# Altium PCB BB.PcbDoc (part 1 of 5) (continued)
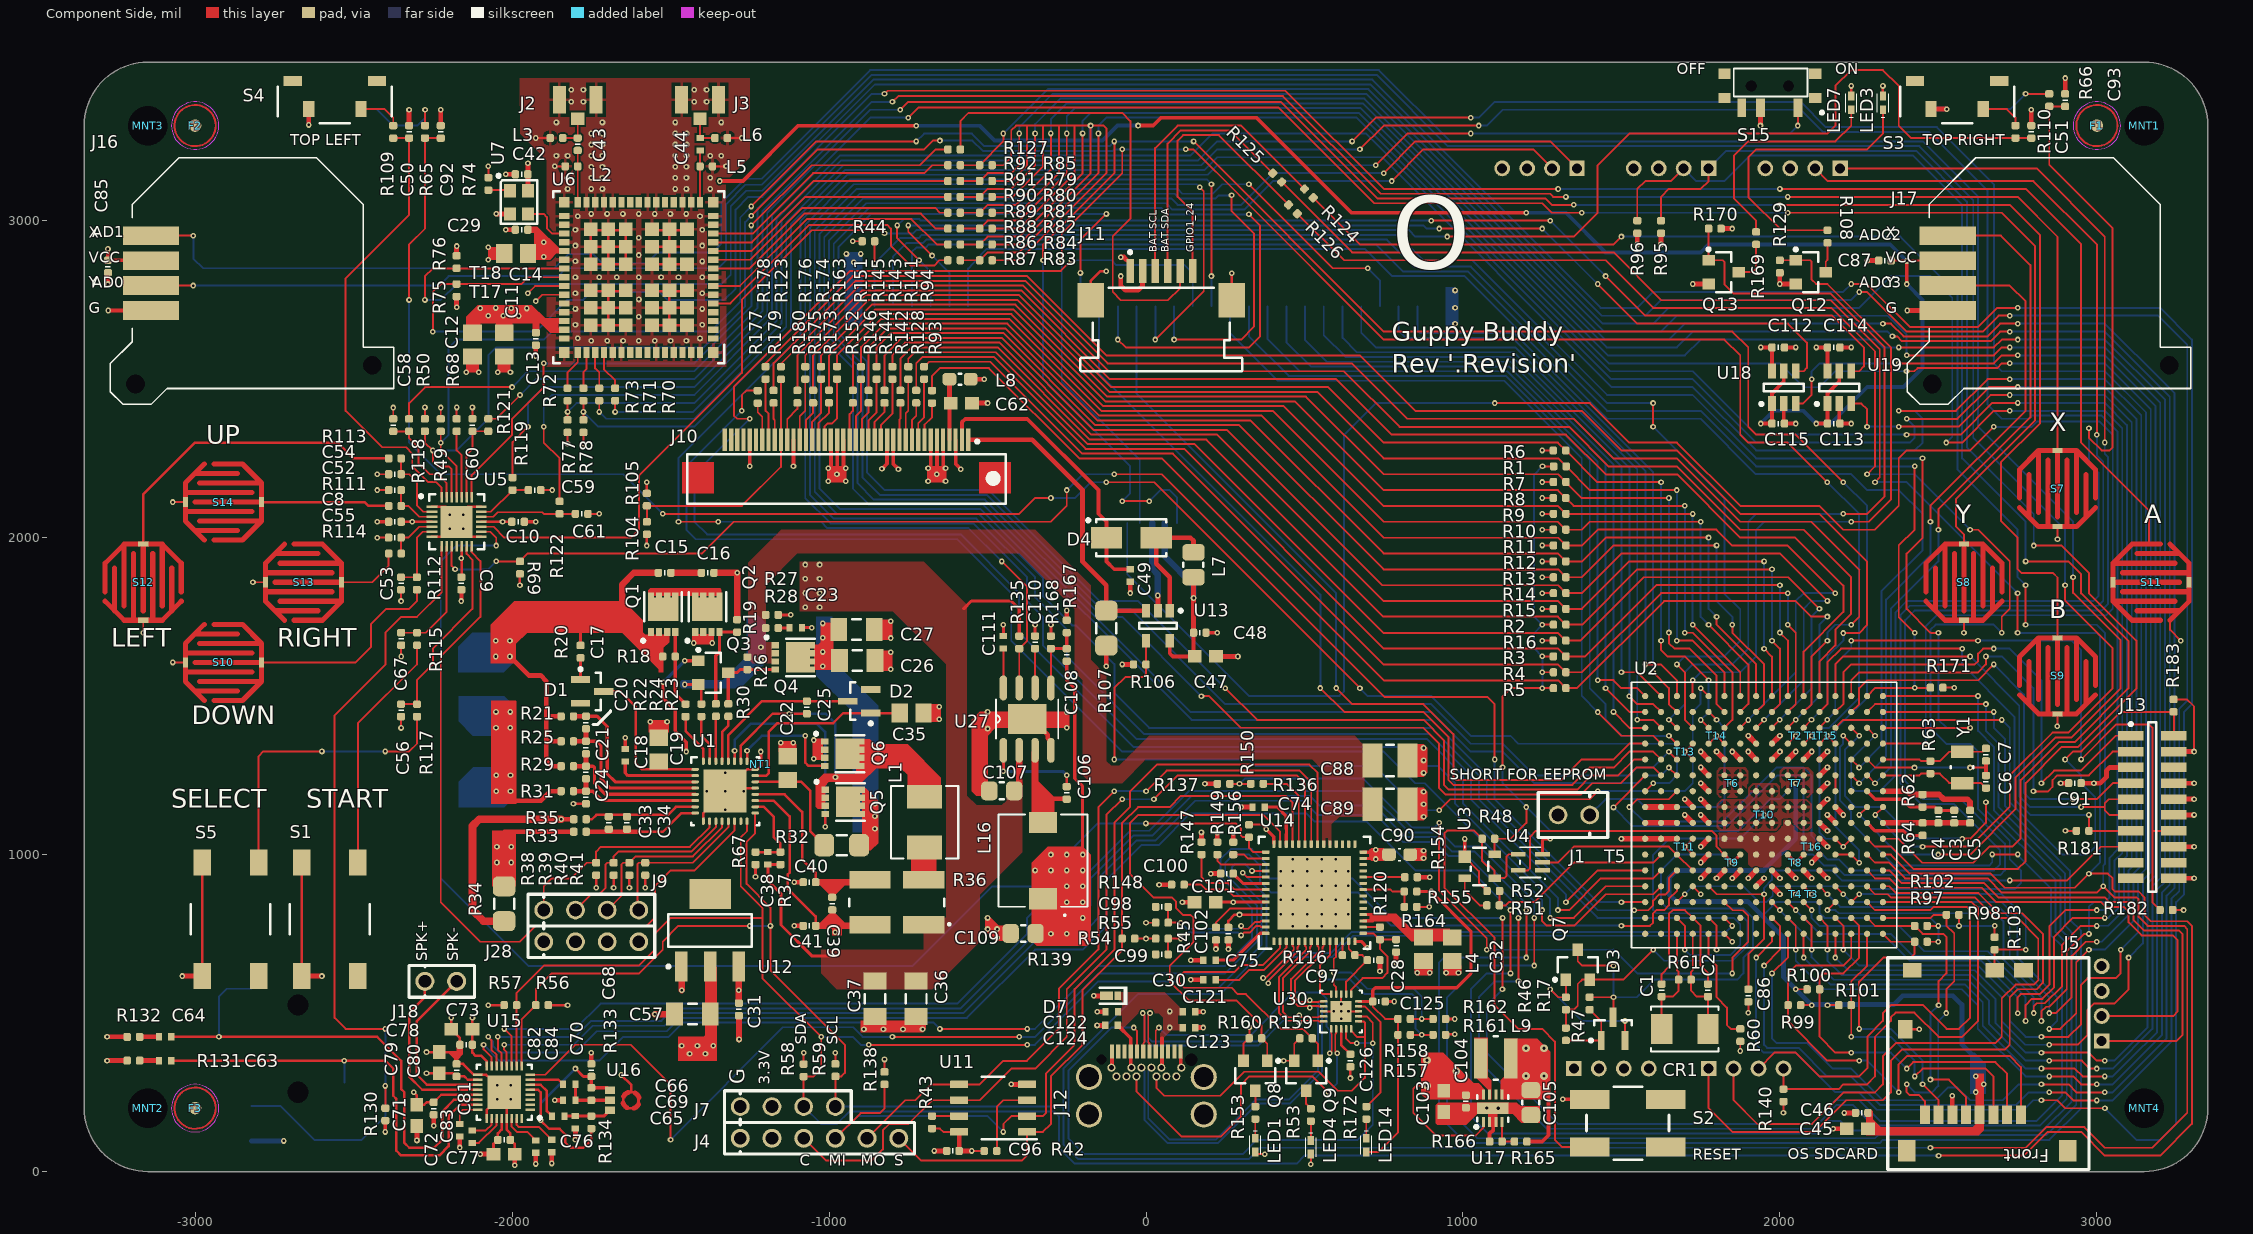
[diagram p0: Component Side view]
## Components (designator, comment, footprint, x,y, rotation, side; value= is the part's Value field where it differs from the comment) (continued)
J5 "Micro SD" "MICRO SD" 2935.55,31.89 r180 top locked
J6 "GB_CART1" GB_CART 0,2730 r180 bottom locked
J7 "J_HDR1X4_THRHOLE_VERT" HDR_1X4 -1280,205 r0 top
J8 "J_MOLX-0522710579" MOLX-0522710579 0,2000 r180 bottom locked
J9 "J_HDR1X4_THRHOLE_VERT" HDR_1X4 -1900,825 r0 top
J10 "Flatlink" FPC_40PIN -944.88,2204.72 r270 top locked
J11 "J_MOLX-0522070660" MOLX-52271-0679 48.35,2795.28 r0 top locked
J12 "J_DX07S024XJ1R1100" DX07S024XJ1R1100 -140.63,353.23 r0 top locked
J13 "J_HDR2X10_RECEPT_VERT" 20_SMC_HDR_RECPT 3175,1150 r0 top
J14 "J_LIPO_BAT_CONNECTOR" HDR_1X2_LIPO_BATTERY -1812.6,1529.37 r90 bottom locked
J15 "J_LIPO_BAT_CONNECTOR" HDR_1X2_LIPO_BATTERY -1812.6,1109.37 r90 bottom locked
J16 "J_PSP1000" JOYSTICK_PSP1000 -2834.65,2834.65 r0 top locked
J17 "J_PSP1000" JOYSTICK_PSP1000 2834.65,2834.65 r0 top locked
J18 "J_HDR1X2_THRHOLE_VERT_FEMALE" 1X2_HOLES_VERTICAL_FEMALE_HEADRER -2275,600 r0 top
J19 "Headphone Jack" HEADPHONE_JACK -2875.79,72.83 r90 bottom
J20 "320110034" HW4-2.0-90D 3015,530 r90 bottom locked
J21 "320110034" HW4-2.0-90D 1656.89,3165 r180 bottom locked
J22 "320110034" HW4-2.0-90D 1241.89,3165 r180 bottom locked
J23 "320110034" HW4-2.0-90D 2071.89,3165 r180 bottom locked
J24 "320110034" HW4-2.0-90D 1893.11,325 r0 bottom locked
J25 "320110034" HW4-2.0-90D 1468.11,325 r0 bottom locked
J28 "J_HDR1X4_THRHOLE_VERT" HDR_1X4 -1900,725 r0 top
L1 "L_IHLP2020BZER2R2M11" IHLP-2020BZ -698.5,1102.19 r90 top
L2 "L_0402_1.3nH" R_0402 -1812.6,3171.44 r0 top
L3 "L_0402_1.3nH" R_0402 -1859.69,3260.81 r0 top
L4 "L_FB_21OHM_100MHZ" C_ERA-0805 875.75,701.36 r90 top
L5 "L_0402_2.2nH" R_0402 -1387.4,3171.44 r180 top
L6 "L_0402_1.8nH" R_0402 -1340.31,3260.81 r180 top
L7 "CBC2016T220K" L_0806 149.92,1914.37 r270 top
L8 "L_BEAD_0603_30OHM_100MHZ" R_0603 -586.61,2500 r0 top
L9 "1.0uH" SRN3010-1R0Y 1103.74,356.3 r0 top
L16 "L_CLF7045T-3R3N" CLF7045 -325,980.93 r90 top
LED1 "LED_GRN_0402" DIOM1005X07L_GREEN 344.76,83.35 r270 top
LED3 "LED_GRN_0402" DIOM1005X07L_GREEN 2325,3371.65 r90 top
LED4 "LED_YLW_0402" DIOM1005X07L_YELLOW 520,76.65 r270 top
LED7 "LED_GRN_0402" DIOM1005X07L_GREEN 2225,3371.65 r90 top
LED14 "LED_RED_0402" DIOM1005X07L_RED 695,83.35 r270 top
MNT1 "Mounting Hole" MNT_4-40 3150,3300 r0 top locked
MNT2 "Mounting Hole" MNT_4-40 -3150,200 r0 top locked
MNT3 "Mounting Hole" MNT_4-40 -3150,3300 r0 top locked
MNT4 "Mounting Hole" MNT_4-40 3150,200 r0 top locked
NT1 "NET_TIE" NET_TIE -1215,1284.72 r90 top net-tie
Q1 "N-Channel Nex_FET" "Q_TDSON-8 NexFET" -1523.54,1758.46 r90 top
Q2 "N-Channel Nex_FET" "Q_TDSON-8 NexFET" -1383.78,1758.46 r90 top
Q3 "NFET" SOT-23A -1365.08,1574.02 r90 top
Q4 "N-Channel Nex_FET" "Q_TDSON-8 NexFET" -1113.31,1622.24 r0 top
Q5 "N-Channel Nex_FET" "Q_TDSON-8 NexFET" -955.63,1166.54 r0 top
Q6 "N-Channel Nex_FET" "Q_TDSON-8 NexFET" -957.2,1318.11 r0 top
Q7 "PNP" SOT-23A 1362.26,652.56 r180 top
Q8 "NFET" SOT-23A 345,302.24 r0 top
Q9 "NFET" SOT-23A 505,302.24 r0 top
Q12 "NFET" SOT-23A 2097.24,2837.6 r90 top
Q13 "NFET" SOT-23A 1822.24,2837.6 r90 top
R1 "R_0402_100K" R_0402 1305.79,2225 r0 top
R2 "R_0402_100K" R_0402 1305.31,1725.32 r0 top
R3 "R_0402_100K" R_0402 1304.88,1625.33 r0 top
R4 "R_0402_100K" R_0402 1305.31,1575.15 r0 top
R5 "R_0402_100K" R_0402 1305.31,1525 r0 top
R6 "R_0402_100K" R_0402 1304.88,2275 r180 top
R7 "R_0402_100K" R_0402 1305.32,2175.33 r180 top
R8 "R_0402_100K" R_0402 1304.88,2125 r180 top
R9 "R_0402_100K" R_0402 1305.32,2075.14 r180 top
R10 "R_0402_100K" R_0402 1304.88,2025 r180 top
R11 "R_0402_100K" R_0402 1305.32,1975.43 r180 top
R12 "R_0402_100K" R_0402 1304.88,1925 r180 top
R13 "R_0402_100K" R_0402 1305.32,1875 r180 top
R14 "R_0402_100K" R_0402 1305.32,1824.84 r180 top
R15 "R_0402_100K" R_0402 1305.32,1775 r180 top
R16 "R_0402_100K" R_0402 1304.88,1675 r180 top
R17 "R_0402_39K" R_0402 1399.66,530.32 r270 top
R18 "R_0402_10M" R_0402 -1504.84,1625 r0 top
R19 "R_0402_10M" R_0402 -1290,1721.65 r270 top
R20 "R_0402_10.0" R_0402 -1784.09,1640.31 r270 top
R21 "R_0402_100.0" R_0402 -1825.91,1436.22 r0 top
R22 "5.11k Ohms" R_0402 -1452.68,1454.98 r270 top
R23 "5.11k Ohms" R_0402 -1357.2,1455.91 r270 top
R24 "R_0402_10.0K" R_0402 -1402.68,1455.31 r270 top
R25 "R_0402_100.0" R_0402 -1825.91,1357.48 r0 top
R26 "R_0402_10M" R_0402 -1257.68,1603.54 r270 top
R27 "R_0402_100.0K" R_0402 -1180.04,1756.34 r0 top
R28 "1.0 Ohms" R_0402 -1180.04,1715 r0 top
R29 "R_0402_100.0" R_0402 -1825.91,1278.74 r0 top
R30 "5.11k Ohms" R_0402 -1317.83,1455.91 r90 top
R31 "R_0402_100.0" R_0402 -1825.91,1200 r0 top
R32 "R_1206_10" R_1206 -960,1030 r0 top
R33 "0.0 Ohms" R_0402 -1785.75,1072.05 r0 top
R34 "R_1206_0.005" R_1206 -2025.18,844.88 r270 top
R35 "0.0 Ohms" R_0402 -1785.75,1111.42 r0 top
R36 "0.01 OHM" R_LVK25_0.003 -786.1,849.13 r90 top
R37 "R_0402_330K" R_0402 -1153.25,988.07 r90 top
R38 "R_0402_NTC_10.0K" R_0402 -1734.8,954.57 r270 top
R39 "R_0402_NTC_10.0K" R_0402 -1679.8,954.57 r270 top
R40 "R_0402_NTC_10.0K" R_0402 -1629.8,954.57 r270 top
R41 "R_0402_NTC_10.0K" R_0402 -1579.8,954.57 r270 top
R42 "3.3k Ohms" R_0402 -490.32,64.92 r0 top
R43 "3.3k Ohms" R_0402 -675,155.31 r90 top
R44 "R_0402_100K" R_0402 -875.98,2935 r180 top
R45 "R_0402_15.0K" R_0402 220.63,750.31 r90 top
R46 "R_0402_499.0" R_0402 1324.66,530.32 r270 top
R47 "R_0402_10.0K" R_0402 1324.66,433.15 r90 top
R48 "R_0402_10.0K" R_0402 1080.32,1050 r180 top
R49 "R_0402_2.2K" R_0402 -2225,2355 r270 top
R50 "R_0402_2.2K" R_0402 -2275,2355.31 r270 top
R51 "1.0k Ohms" R_0402 1095.31,840 r0 top
R52 "R_0402_100K" R_0402 1095.63,885 r180 top
R53 "1.0k Ohms" R_0402 520,178.62 r90 top
R54 "R_0402_100K" R_0402 50.32,735 r180 top
R55 "R_0402_100K" R_0402 50.31,785.2 r0 top
R56 "R_0402_2.2K" R_0402 -1905.31,525 r180 top
R57 "R_0402_2.2K" R_0402 -2005.49,525 r0 top
R58 "R_0402_2.2K" R_0402 -1080,319.37 r270 top
R59 "R_0402_2.2K" R_0402 -980,319.88 r270 top
R60 "R_0402_10.0K" R_0402 1875,430.31 r90 top
R61 "1.0M Ohms" R_0402 1700,605.32 r180 top
R62 "0.0 Ohms" R_0402 2450,1169.69 r90 top
R63 "1.0M Ohms" R_0402 2474.57,1275.33 r270 top
R64 "0.0 Ohms" R_0402 2450.39,1080.2 r90 top
R65 "R_0402_10.0K" R_0402 -2274.69,3280.31 r90 top
R66 "4.7k Ohms" R_0402 2849.67,3380.31 r90 top
R67 "56.2k" R_0402 -1231.99,988.07 r270 top
R68 "4.7k Ohms" R_0402 -2175,2355.31 r270 top
R69 "4.7k Ohms" R_0402 -1975.18,1905.31 r90 top
R70 "R_0402_33" R_0402 -1675,2451.75 r90 top
R71 "R_0402_33" R_0402 -1725,2451.75 r90 top
R72 "R_0402_33" R_0402 -1825,2451.75 r90 top
R73 "R_0402_33" R_0402 -1775,2451.75 r90 top
R74 "1.0k Ohms" R_0402 -2075,3116.12 r270 top
R75 "R_0402_100.0K" R_0402 -2175,2780.31 r270 top
R76 "R_0402_100.0K" R_0402 -2175,2869.69 r90 top
R77 "1.0k Ohms" R_0402 -1825,2351.75 r90 top
R78 "1.0k Ohms" R_0402 -1775,2351.75 r90 top
R79 "R_0402_10.0K" R_0402 -505.31,3125 r180 top
R80 "R_0402_10.0K" R_0402 -505.31,3075 r180 top
R81 "R_0402_10.0K" R_0402 -505.31,3025 r180 top
R82 "R_0402_10.0K" R_0402 -505.31,2975 r180 top
R83 "R_0402_10.0K" R_0402 -505.31,2875 r180 top
R84 "R_0402_10.0K" R_0402 -505.31,2925.04 r180 top
R85 "R_0402_10.0K" R_0402 -505.31,3175 r180 top
R86 "R_0402_33" R_0402 -605.31,2925 r180 top
R87 "R_0402_33" R_0402 -605.31,2875 r180 top
R88 "R_0402_33" R_0402 -605.31,2975 r180 top
R89 "R_0402_33" R_0402 -605.31,3025 r180 top
R90 "R_0402_33" R_0402 -605.31,3075 r180 top
R91 "R_0402_33" R_0402 -605.31,3125 r180 top
R92 "R_0402_33" R_0402 -605.31,3175 r180 top
R93 "R_0402_33" R_0402 -675,2444.35 r270 top
R94 "R_0402_33" R_0402 -700,2519.69 r270 top
R95 "R_0402_2.2K" R_0402 1625,2980.32 r90 top
R96 "R_0402_2.2K" R_0402 1550,2980.32 r90 top
R97 "R_0402_10.0K" R_0402 2444.69,725 r180 top
R98 "R_0402_10.0K" R_0402 2545,810 r180 top
R99 "R_0402_10.0K" R_0402 2045.37,525 r180 top
R100 "R_0402_10.0K" R_0402 2105.32,575 r0 top
R101 "R_0402_10.0K" R_0402 2205.31,525.08 r0 top
R102 "R_0402_10.0K" R_0402 2444.68,775 r180 top
R103 "R_0402_10.0K" R_0402 2677.56,719.69 r270 top
R104 "R_0402_10.0K" R_0402 -1574.67,2030.31 r90 top
R105 "R_0402_10.0K" R_0402 -1575,2119.69 r90 top
R106 "R_0402_10.0K" R_0402 -19.76,1600 r180 top
R107 "R_1206_4.99" R_1206 -125.08,1714.37 r270 top
R108 "1.0k Ohms" R_0402 2150,2950 r270 top
R109 "R_0402_10.0K" R_0402 -2375,3280.31 r90 top
R110 "4.7k Ohms" R_0402 2743.11,3280.31 r90 top
R111 "4.7k Ohms" R_0402 -2369.68,2100 r180 top
R112 "4.7k Ohms" R_0402 -2300.32,1855.31 r270 top
R113 "4.7k Ohms" R_0402 -2369.68,2250 r180 top
R114 "4.7k Ohms" R_0402 -2369.68,1950 r180 top
R115 "4.7k Ohms" R_0402 -2300,1680.31 r270 top
R116 "0.0 Ohms" R_0402 639.53,682.76 r0 top
R117 "4.7k Ohms" R_0402 -2300,1454.98 r270 top
R118 "4.7k Ohms" R_0402 -2325,2355 r90 top
R119 "4.7k Ohms" R_0402 -1998.6,2169.69 r90 top
R120 "0.0 Ohms" R_0402 737.95,751.65 r270 top
R121 "4.7k Ohms" R_0402 -2075.06,2355.31 r90 top
R122 "4.7k Ohms" R_0402 -1850,2094.69 r90 top
R123 "0.0 Ohms" R_0402 -1151.57,2519.69 r270 top
R124 "0.0 Ohms" R_0402 513.92,3086.08 r135 top
R125 "0.0 Ohms" R_0402 413.92,3136.08 r135 top
R126 "0.0 Ohms" R_0402 463.72,3036.08 r135 top
R127 "0.0 Ohms" R_0402 -605.32,3224.9 r0 top
R128 "R_0402_33" R_0402 -725,2444.69 r270 top
R129 "R_0402_100.0K" R_0402 1999.67,2855.31 r270 top
R130 "R_0402_10.0K" R_0402 -2400,180.32 r90 top
R131 "R_0402_33" R_0402 -3194.69,350 r180 top
R132 "R_0402_33" R_0402 -3194.69,425 r180 top
R133 "R_0402_2.2K" R_0402 -1750,244.53 r270 top
R134 "R_0402_2.2K" R_0402 -1750,155.31 r90 top
R135 "R_0402_100K" R_0402 -400,1669.69 r90 top
R136 "0.0 Ohms" R_0402 350.28,1223.27 r0 top
R137 "0.0 Ohms" R_0402 244.96,1223.27 r0 top
R138 "3.3k Ohms" R_0402 -825,294.69 r270 top
R139 "3.3k Ohms" R_0402 -55.53,735 r180 top
R140 "R_0402_10.0K" R_0402 2011.22,240.31 r90 top
R141 "R_0402_33" R_0402 -750,2519.69 r270 top
R142 "R_0402_33" R_0402 -775,2444.69 r270 top
R143 "R_0402_33" R_0402 -800.24,2519.69 r270 top
R144 "R_0402_33" R_0402 -825,2444.69 r270 top
R145 "R_0402_33" R_0402 -850,2519.69 r270 top
R146 "R_0402_33" R_0402 -875,2444.69 r270 top
R147 "3.3k Ohms" R_0402 175,1019.9 r270 top
R148 "R_0402_100K" R_0402 100.31,905.1 r0 top
R149 "R_0402_10.0K" R_0402 225,1019.9 r270 top
R150 "R_0402_10.0K" R_0402 325,1074.69 r270 top
R151 "R_0402_33" R_0402 -899.13,2519.69 r270 top
R152 "R_0402_33" R_0402 -925,2444.69 r270 top
R153 "1.0k Ohms" R_0402 345,185.31 r90 top
R154 "1.0M Ohms" R_0402 836.38,928.6 r0 top
R155 "R_0402_10.0K" R_0402 834.68,883.54 r0 top
R156 "R_0402_10.0K" R_0402 275.35,1019.9 r270 top
R157 "1.0M Ohms" R_0402 814.68,431.38 r0 top
R158 "1.0M Ohms" R_0402 814.68,481.38 r0 top
R159 "R_0402_100.0K" R_0402 505,420.43 r180 top
R160 "R_0402_100.0K" R_0402 345,420.43 r180 top
R161 "1.0M Ohms" R_0402 925.31,431.38 r0 top
R162 "1.0M Ohms" R_0402 925.31,481.38 r0 top
R163 "R_0402_33" R_0402 -975,2520.02 r270 top
R164 "R_0402_10.0K" R_0402 834.68,835 r0 top
R165 "R_0402_249K" R_0402 1181.98,94.61 r180 top
R166 "R_0402_39.2K" R_0402 1103.74,94.61 r180 top
R167 "R_0402_130K" R_0402 -250.08,1719.69 r270 top
R168 "R_0402_24k" R_0402 -300,1669.69 r90 top
R169 "1.0k Ohms" R_0402 1925,2944.68 r270 top
R170 "R_0402_100.0K" R_0402 1794.68,2975 r0 top
R171 "4.7k Ohms" R_0402 2494.68,1526.65 r180 top
R172 "1.0k Ohms" R_0402 695.24,185.31 r90 top
R173 "R_0402_33" R_0402 -1000,2445.02 r270 top
R174 "R_0402_33" R_0402 -1025,2520.02 r270 top
R175 "R_0402_33" R_0402 -1050,2445.02 r270 top
R176 "R_0402_33" R_0402 -1075,2520.02 r270 top
R177 "R_0402_33" R_0402 -1225,2444.35 r270 top
R178 "R_0402_33" R_0402 -1200,2519.69 r270 top
R179 "R_0402_33" R_0402 -1175,2444.69 r270 top
R180 "R_0402_33" R_0402 -1100,2444.69 r270 top
R181 "4.7k Ohms" R_0402 2955.31,1075 r0 top
R182 "4.7k Ohms" R_0402 3219.06,825 r180 top
R183 "4.7k Ohms" R_0402 3242.09,1470.02 r90 top
S1 "S_TACTILE_1571563_2_BUTTON" TACTILE_1571563_2 -2575,795.87 r270 top
S2 "S_TACTILE_BUTTON" "Tact Switch" 1520,152.97 r180 top
S3 "S_TACTILE_ RA_TL3330AF130QG_BUTTON" TL3330AF130QG 2559.06,3385.83 r180 top locked
S4 "S_TACTILE_ RA_TL3330AF130QG_BUTTON" TL3330AF130QG -2559.06,3385.83 r180 top locked
S5 "S_TACTILE_1571563_2_BUTTON" TACTILE_1571563_2 -2888.58,795.87 r270 top
S6 "S_TACTILE_ RA_TL3330AF130QG_BUTTON" TL3330AF130QG -2559.06,3385.83 r0 bottom
S7 "S_GB_BTN" GB_BUTTON#1 2875.79,2154.53 r270 top
S8 "S_GB_BTN" GB_BUTTON#2 2580.51,1859.25 r270 top
S9 "S_GB_BTN" GB_BUTTON#2 2875.79,1563.98 r270 top
S10 "S_GB_BTN" GB_BUTTON#2 -2910.83,1606.3 r180 top
S11 "S_GB_BTN" GB_BUTTON#3 3171.06,1859.25 r0 top
S12 "S_GB_BTN" GB_BUTTON#2 -3163.78,1859.25 r270 top
S13 "S_GB_BTN" GB_BUTTON#2 -2657.87,1859.25 r180 top
S14 "S_GB_BTN" GB_BUTTON#2 -2910.83,2112.21 r180 top
S15 "Micro Slide Switch" PCM_SMD_SWITCH 1968.5,3425.2 r180 top
S16 "S_TACTILE_ RA_TL3330AF130QG_BUTTON" TL3330AF130QG 2559.06,3385.83 r0 bottom
T1 "TEST_POINT_SMALL" TESTPOINTSMALL 2100,1375 r270 top
T2 "TEST_POINT_SMALL" TESTPOINTSMALL 2050,1375 r270 top
T3 "TEST_POINT_SMALL" TESTPOINTSMALL 2100,875 r270 top
T4 "TEST_POINT_SMALL" TESTPOINTSMALL 2050,875 r270 top
T5 "TEST_POINT_SMALL" TESTPOINTSMALL 1500,1050 r270 top
T6 "TEST_POINT_SMALL" TESTPOINTSMALL 1850,1225 r270 top
T7 "TEST_POINT_SMALL" TESTPOINTSMALL 2050,1225 r270 top
T8 "TEST_POINT_SMALL" TESTPOINTSMALL 2050,975 r270 top
T9 "TEST_POINT_SMALL" TESTPOINTSMALL 1850,975 r270 top
T10 "TEST_POINT_SMALL" TESTPOINTSMALL 1950,1125 r0 top
T11 "TEST_POINT_SMALL" TESTPOINTSMALL 1700,1025 r270 top
T13 "TEST_POINT_SMALL" TESTPOINTSMALL 1700,1325 r0 top
T14 "TEST_POINT_SMALL" TESTPOINTSMALL 1800,1375 r0 top
T15 "TEST_POINT_SMALL" TESTPOINTSMALL 2150,1375 r0 top
T16 "TEST_POINT_SMALL" TESTPOINTSMALL 2100,1025 r0 top
T17 "TEST_POINT_SMALL" TESTPOINTSMALL -1925,2746.44 r270 top
T18 "TEST_POINT_SMALL" TESTPOINTSMALL -1950,2771.44 r270 top
U1 "U_BQ40Z60RHBR" RHB0032E -1327.68,1200 r0 top
U2 "U_OSD3358-512M-BSM" OSD335X-BGA-256 1950,1125 r180 top locked
U3 "U_APX811-26UG-7" SOT190P237X120-4N 1052.76,963.01 r0 top
U4 "U_SN74LVC1G07DCKR" DCK5 1213,975.59 r180 top
U5 "U_SX1503I091TRT" QFN40P400X400X60_HS-29N -2175,2050 r0 top locked
U6 "U_WL1837MODGIMOCT" MOC0100A -1600,2821.44 r180 top locked
U7 "U_ASDK2-32.768KHZ-LR-T3" KC2520B -1978.54,3057.85 r270 top
U11 "U_W25Q80DVSNIG" "SOIC-8 - TI" -482.28,200 r180 top
U12 "ADJ Regulator" SOT230P700X180-4N -1375,760.83 r90 top
U13 "U_LM3410XMFE" MF05A_N 37.52,1722.24 r270 top
U14 "PartNumber" RWE0056B 531.26,879.61 r90 top
U15 "U_AK4954AEN" QFN40P400X400X80_HS-33N -2025.18,250.16 r180 top
U16 "U_MP23AB01DHTR" RHLGA -1624.8,225 r90 top
U17 "TPS62080" QFN50P200X200X80-8L 1093.9,199.61 r0 top
U18 "LEVEL Translator" TSOT-6 2012.28,2473.82 r90 top
U19 "LEVEL Translator" TSOT-6 2187.4,2473.82 r90 top
U27 "U_TPS54339EDDAR" DDA0008E -375,1427.5 r90 top
U30 "U_TPD8S300RUK" RUK0020B 615.32,505 r90 top
Y1 "32.768kHz (Tuning Fork)" FC-135_CRYSTAL 2575,1275 r90 top

## Footprints (in the part's own frame and the unit in brackets; to place one, negate y for a bottom-side part, rotate by r counter-clockwise, add the part's x,y. Pads: shape width x height; smd on the part's side, far side on the other; paste and mask are expansions set on the pad)
1X2_HOLES_VERTICAL_FEMALE_HEADRER [mil]
  round 60 hole 40: 1(0,0) 2(100,0)
  silkscreen extent -50,-50 156,50, body extent -60,-47 160,48, height 335
20_SMC_HDR_RECPT [mm] "SOIC, 20-Leads, Body 13.6x3.0mm (max), Pitch 1.27mm, IPC High Density"
  rect 2.05x0.76 smd: 1(-1.725,5.715) 2(1.725,5.715) 3(-1.725,4.445) 4(1.725,4.445) 5(-1.725,3.175) 6(1.725,3.175) 7(-1.725,1.905) 8(1.725,1.905) 9(-1.725,0.635) 10(1.725,0.635) 11(-1.725,-0.635) 12(1.725,-0.635) 13(-1.725,-1.905) 14(1.725,-1.905) 15(-1.725,-3.175) 16(1.725,-3.175) 17(-1.725,-4.445) 18(1.725,-4.445) 19(-1.725,-5.715) 20(1.725,-5.715)
  silkscreen extent -1.85,-6.8 0.33,6.8, body extent -1.5,-6.8 1.5,6.8, height 4.5
C_14-1210 [mm]
  rect 1.6x2.7 smd: 1(-1.4,0) 2(1.4,0)
  silkscreen extent -0.3,-1.25 0.3,1.25, body extent -1.57,-1.25 1.63,1.25, height 2.5
C_0402 [mm] "Capacitor 0402"
  rrect50% 0.6x0.65 smd: 1(-0.5,0) 2(0.5,0)
  silkscreen extent 0,-0.2 0,0.2, body extent -0.5,-0.3 0.5,0.3, height 0.2
C_0603 [mm] "Capacitor 0603"
  rrect50% 1.1x1 smd: 1(-0.85,0) 2(0.85,0)
  silkscreen extent -0.1,-0.48 0.1,0.48, body extent -0.8,-0.4 0.8,0.4, height 0.77
C_0805 [mm] "Capacitor 0805"
  rrect50% 1.3x1.5 smd: 1(-1,0) 2(1,0)
  silkscreen extent -0.15,-0.67 0.15,0.67, body extent -1,-0.63 1,0.63, height 0.59
C_ERA-0402 [mm]
  rect 0.5x0.6 smd: 1(-0.5,0) 2(0.5,0)
  body extent -0.5,-0.3 0.5,0.3, height 0.2
C_ERA-0603 [mm]
  rect 1.1x1 smd: 1(-0.85,0) 2(0.85,0)
  body extent -0.8,-0.4 0.8,0.4, height 0.3
C_ERA-0805 [mm]
  rect 1.3x1.5 smd: 1(-0.95,0) 2(0.95,0)
  body extent -0.94,-0.62 1.06,0.63, height 0.78
CAP-1206 [mm] "Chip Capacitor, 2-Leads, Body 1206, IPC Medium Density"
  rect 1.35x1.85 smd: 1(-1.425,0) 2(1.425,0)
  silkscreen extent -0.35,-0.82 0.35,0.82, body extent -1.7,-0.9 1.7,0.9, height 1.8
CLF7045 [mil]
  rect 67x87 smd: 1(-120,0) 2(120,0)
  silkscreen extent -175,-140 145,140
CRYSTAL_TXC_7A [mil]
  rect 67x94 smd paste+0 mask+0: 1(-73,0) 2(73,0)
  silkscreen extent -107,-71 107,71, body extent 0,0 10,10, height 10
DCK5 [mil]
  rect 46x14 smd paste+0 mask+0: 1(-38,25.59) 2(-38,0) 3(-38,-25.59) 4(38,-25.59) 5(38,25.59)
  silkscreen extent -48,-48 32,54, body extent -28,-42 28,42, height 43
DDA0008E [mm]
  oval 2x0.6 smd: 1(-2.5,1.905) 2(-2.5,0.635) 3(-2.5,-0.635) 4(-2.5,-1.905) 5(2.5,-1.905) 6(2.5,-0.635) 7(2.5,0.635) 8(2.5,1.905)
  rect 2.4x3.1 smd: 9(0,0)
  silkscreen extent -1.58,-2.49 1.58,2.49
DIOM1005X07L_GREEN [mm] "Molded Diode, 2-Leads, Body 1.0x0.5mm, IPC High Density"
  rect 0.7x0.5 smd: 1(0.55,0) 2(-0.55,0)
  silkscreen extent -1.15,-0.45 0.75,0.45, body extent -0.5,-0.25 0.51,0.25, height 0.45
DIOM1005X07L_RED [mm] "Molded Diode, 2-Leads, Body 1.0x0.5mm, IPC High Density"
  rect 0.7x0.5 smd: 1(0.55,0) 2(-0.55,0)
  silkscreen extent -1.15,-0.45 0.75,0.45, body extent -0.5,-0.25 0.51,0.25, height 0.45
DIOM1005X07L_YELLOW [mm] "Molded Diode, 2-Leads, Body 1.0x0.5mm, IPC High Density"
  rect 0.7x0.5 smd: 1(0.55,0) 2(-0.55,0)
  silkscreen extent -1.15,-0.45 0.75,0.45, body extent -0.5,-0.25 0.51,0.25, height 0.45
DIOM5226X23L [mm] "Molded Diode, 2-Leads, Body 5.2x2.6mm, IPC High Density"
  rect 2.5x1.7 smd: 1(2,0) 2(-2,0)
  silkscreen extent -3.57,-1.5 2.8,1.52, body extent -2.8,-1.46 2.8,1.46, height 2.3
DSN2_0603 [mm]
  rect 0.52x0.7 smd: 1(-0.64,0)
  rect 1.05x0.7 smd: 2(0.275,0)
  silkscreen extent -1.4,-0.75 0.8,0.75, body extent -0.8,-0.4 0.8,0.4, height 0.31
DX07S024XJ1R1100 [mm]
  rect 0.33x1.13 smd: A1(0.85,0.66) A2(1.35,0.66) A3(1.85,0.66) A4(2.35,0.66) A5(2.85,0.66) A6(3.35,0.66) A7(3.85,0.66) A8(4.35,0.66) A9(4.85,0.66) A10(5.35,0.66) A11(5.85,0.66) A12(6.35,0.66)
  round 0.65 hole 0.4: B1(6.4,-0.65) B2(6,-1.35) B3(5.2,-1.35) B4(4.8,-0.65) B5(4.4,-1.35) B6(4,-0.65) B7(3.2,-0.65) B8(2.8,-1.35) B9(2.4,-0.65) B10(2,-1.35) B11(1.2,-1.35) B12(0.8,-0.65)
  round 0 hole 0.8 unplated: M(0,0)
  round 0 hole 1 unplated: M(7.2,0)
  round 2.1 hole 1.6: M1(-1,-1.4) M2(8.2,-1.4) M3(-1,-4.4) M4(8.2,-4.4)
  body extent -1.09,-8.85 8.31,0.91, height 3.42
FC-135_CRYSTAL [mm] "FC-135"
  rect 1x1.8 smd: 1(-1.25,0) 2(1.25,0)
  silkscreen extent -0.07,-0.9 0.08,0.9, body extent -1.75,-0.9 1.75,0.9, height 0.9
"FIDUCIAL ROUND" [mm] "FIDUCIAL ROUND"
  round 1 smd paste+0 mask+1.1: 0(0,0)
  round 1 smd far side paste+0 mask+1.1: 0(0,0)
  Component Side circle w0.152: c0,0 r1.651
  Solder Side circle w0.152: c0,0 r1.651
  Keep-Out Layer circle w0.1: c0,0 r1.905
FPC_40PIN [mm] "FPC, 40-Leads, Body"
  rect 1.8x0.35 smd mask+0.102: 1(-2.65,9.75) 7(-2.65,6.75) 8(-2.65,6.25) 9(-2.65,5.75) 10(-2.65,5.25) 11(-2.65,4.75) 12(-2.65,4.25) 13(-2.65,3.75) 14(-2.65,3.25) 15(-2.65,2.75) 16(-2.65,2.25) 17(-2.65,1.75) 18(-2.65,1.25) 19(-2.65,0.75) 20(-2.65,0.25) 21(-2.65,-0.25) 22(-2.65,-0.75) 23(-2.65,-1.25) 24(-2.65,-1.75) 25(-2.65,-2.25) 26(-2.65,-2.75) 27(-2.65,-3.25) 28(-2.65,-3.75) 29(-2.65,-4.25) 30(-2.65,-4.75) 31(-2.65,-5.25) 32(-2.65,-5.75) 33(-2.65,-6.25) 34(-2.65,-6.75) 35(-2.65,-7.25) 36(-2.65,-7.75) 37(-2.65,-8.25) 38(-2.65,-8.75) 39(-2.65,-9.25) 40(-2.65,-9.75)
  rect 1.8x0.32 smd mask+0.102: 2(-2.65,9.25) 3(-2.65,8.75) 4(-2.65,8.25) 5(-2.65,7.75) 6(-2.65,7.25)
  Component Side region: -0.85,13.15 1.65,13.15 1.65,10.65 -0.85,10.65
  Component Side region: -0.85,-10.65 1.65,-10.65 1.65,-13.15 -0.85,-13.15
  silkscreen extent -2.62,-12.75 2.5,12.75, body extent -3.1,-12.73 4.05,12.77, height 2
GB_BUTTON#1 [mil]
  rect 16x32 smd: 1(-120,0) 2(120,0)
  Component Side lines w16: 60,-120 90,-90 ; 30,-120 -60,-120 -120,-60 ; -45,-90 90,-90 ; 75,-60 -120,-60 ; -90,-30 120,-30 ; 90,0 -120,0 ; -90,30 120,30 ; 75,60 -120,60 ; -45,90 90,90 ; 60,120 90,90 ; 30,120 -60,120 -120,60 ; 90,-90 120,-60 120,-30 ; -120,-60 -120,-25 -120,0 ; 120,-30 120,0 120,30 ; -120,0 -120,60 ; 120,30 120,60 90,90
  body extent -130,-130 130,130, height 50
GB_BUTTON#2 [mil]
  rect 16x32 smd: 1(-120,0) 2(120,0)
  Component Side lines w16: 60,-120 90,-90 ; 30,-120 -60,-120 -120,-60 ; -45,-90 90,-90 ; 75,-60 -120,-60 ; -90,-30 120,-30 ; 90,0 -120,0 ; -90,30 120,30 ; 75,60 -120,60 ; -45,90 90,90 ; 60,120 90,90 ; 30,120 -60,120 -120,60 ; 90,-90 120,-60 120,-30 ; -120,-60 -120,0 ; 120,-30 120,0 120,30 ; -120,0 -120,60 ; 120,30 120,60 90,90
  body extent -130,-130 130,130, height 50
GB_BUTTON#3 [mil]
  rect 16x32 smd: 1(-120,0) 2(120,0)
  Component Side lines w16: -90,-30 120,-30 ; -90,30 120,30 ; -45,-90 90,-90 ; -45,90 90,90 ; 30,-120 -60,-120 -120,-60 ; 30,120 -6.06,120 -60,120 -120,60 ; 60,-120 90,-90 ; 60,120 90,90 ; 75,-60 -120,-60 ; 75,60 -120,60 ; 90,0 -120,0 ; -120,-60 -120,0 ; -120,0 -120,60 ; 90,-90 120,-60 120,-30 ; 90,90 120,60 120,30 ; 120,-30 120,-0.83 120,0 120,30
  body extent -130,-130 130,130, height 50
GB_CART [mm] "GB_CART"
  rect 1.36x3.46 smd: 1(-23.418,0) 32(23.418,0)
  rect 1.03x3.46 smd: 2(-21.747,0) 3(-20.247,0) 4(-18.747,0) 5(-17.247,0) 6(-15.747,0) 7(-14.247,0) 8(-12.747,0) 9(-11.247,0) 10(-9.748,0) 11(-8.247,0) 12(-6.748,0) 13(-5.247,0) 14(-3.748,0) 15(-2.247,0) 16(-0.748,0) 17(0.753,0) 18(2.252,0) 19(3.753,0) 20(5.252,0) 21(6.753,0) 22(8.252,0) 23(9.753,0) 24(11.252,0) 25(12.753,0) 26(14.252,0) 27(15.753,0) 28(17.252,0) 29(18.753,0) 30(20.252,0) 31(21.753,0)
  silkscreen extent -25.83,0 25.82,19.42, body extent -25.81,0 25.81,12, height 6.5
HDR_1X2 [mm] "Jumper"
  round 1.5 hole 1.016: 1(0,0) 2(2.54,0)
  silkscreen extent -1.45,-1.8 4.13,1.8, body extent -1.27,-1.27 3.81,1.27, height 8.38
HDR_1X2_LIPO_BATTERY [mm] "POWER CONNECTOR"
  rect 1.1x3.6 smd: 1(1,-7.3) 2(-1,-7.3)
  rect 1.53x3.6 smd: MNT(-3.35,-1.8) MNT(3.35,-1.8)
  silkscreen extent -4.46,-9.43 4.43,0.31, body extent -3.95,-8.7 3.95,-0.1, height 5.63
HDR_1X4 [mm] "HEADER"
  round 1.5 hole 1.016: 1(0,0) 2(2.54,0) 3(5.08,0) 4(7.62,0)
  silkscreen extent -1.27,-1.27 8.89,1.27, body extent -1.26,-1.22 8.9,1.32, height 8.38
HDR_1X6 [mil] "HEADER"
  round 60 hole 40: 1(0,0) 2(100,0) 3(200,0) 4(300,0) 5(400,0) 6(500,0)
  silkscreen extent -50,-50 550,50, body extent -50,-50 550,50, height 334
HEADPHONE_JACK [mm] "SOT23, 3-Leads, Body 3.0x2.6mm (max), Pitch 0.95mm, IPC Medium Density"
  rect 2.2x2.8 smd: 1(0.6,1.35) 4(3.4,1.35)
  rect 2.8x2.8 smd: 2(12.8,1.35) 5(16.9,5.85)
  rect 2x2.8 smd: 3(5.3,8.8) 6(2.5,8.8)
  round 1 hole 1.7 unplated: ""(4.5,5.1) ""(11.5,5.1)
  silkscreen extent -1.4,0.53 15.45,8.27, body extent -1.5,1.92 15.45,8.27, height 1.1
HW4-2.0-90D [mil]
  rect 48.41x48.41 / inner rect 60x60 / far side rect 48.41x48.41 hole 31.5: 1(-118.11,0)
  round 50 / inner round 60 / far side round 50 hole 31.5: 2(-39.37,0) 3(39.37,0) 4(118.11,0)
  silkscreen extent -197,-59 197,331, body extent -193,-15 201,326, height 197
IHLP-2020BZ [mm] "Vishay Dale recommended land pattern.  Document 34261 rev 12-Sept-13"
  rect 1.915x2.79 smd: 1(-2.038,0) 2(2.037,0)
  silkscreen extent -2.9,-2.7 2.9,2.7, body extent -2.87,-2.72 2.87,2.72, height 2
JOYSTICK_PSP1000 [mm] "JOYSTICK_ANALOG_MINITHM"
  rect 4.498x1.499 smd: 1(-7.75,3) 2(-7.75,1) 3(-7.75,-1) 4(-7.75,-3)
  round 0 hole 1.5 unplated: M(-8.984,-8.89) M(10,-7.375)
  silkscreen extent -11,-10.5 11.73,9.25, body extent -11.7,-10.23 11.55,9.35, height 8
KC2520B [mm]
  rect 1.05x0.95 smd: 1(-0.925,-0.725) 2(0.925,-0.725) 3(0.925,0.725) 4(-0.925,0.725)
  silkscreen extent -2.25,-1.75 1.73,1.48, body extent -1.25,-1 1.25,1, height 0.7
L_0806 [mm] "Inductor 0806"
  rrect50% 1.3x1.8 smd: 1(1,0) 2(-1,0)
  silkscreen extent -0.15,-0.81 0.15,0.79, body extent -1,-0.63 1,0.62, height 0.78
MF05A_N [mm] "SOT23, 5-Leads, Body 2.9x1.6mm, Pitch 0.95mm, Lead Span 2.8mm, IPC Medium Density"
  rect 1.1x0.65 smd: 1(-1.2,0.95) 2(-1.2,0) 3(-1.2,-0.95) 4(1.2,-0.95) 5(1.2,0.95)
  silkscreen extent -1.32,-1.5 0.25,1.95, body extent -0.84,-1.49 0.83,1.5, height 1.19
"MICRO SD" [mm] "MICRO SD"
  rect 0.8x1.5 smd mask+0.05: 1(4.45,-3.75) 2(5.55,-3.75) 3(6.65,-3.75) 4(7.75,-3.75) 5(8.85,-3.75) 6(9.95,-3.75) 7(11.05,-3.75) 8(12.15,-3.75)
  rect 1.15x1.5 smd: 9(13.73,-10.6)
  rect 1.5x1.15 smd: 10(6.55,-15.325) S(4.25,-15.325) S(13.15,-15.325)
  rect 1.4x1.7 smd: S(0.7,-0.85) S(13.6,-0.85)
  Mechanical 1 keep-out region: 7.5,-15.45 8.5,-15.45 8.5,-14.95 7.5,-14.95
  Mechanical 1 keep-out region: 14.05,-13.15 11.15,-13.15 11.15,-14.55 14.05,-14.55
  Mechanical 1 keep-out region: 13.35,-9.65 13.85,-9.65 13.85,-8.65 13.35,-8.65
  silkscreen extent -1,-16.32 15.13,0.65, body extent 0.22,-15.82 14.03,-0.33, height 1.8
MNT_4-40 [mil]
  round 0 hole 125 unplated mask+1.5: MOUNT(0,0)
MOC0100A [mm]
  rect 0.85x0.85 smd paste-0.069 mask-0.051: 1(-5.975,6.025) 17(-5.975,-6.025) 33(5.975,-6.025) 49(5.975,6.025)
  rect 0.85x0.5 smd paste-0.05 mask-0.051: 2(-5.975,4.9) 3(-5.975,4.2) 4(-5.975,3.5) 5(-5.975,2.8) 6(-5.975,2.1) 7(-5.975,1.4) 8(-5.975,0.7) 9(-5.975,0) 10(-5.975,-0.7) 11(-5.975,-1.4) 12(-5.975,-2.1) 13(-5.975,-2.8) 14(-5.975,-3.5) 15(-5.975,-4.2) 16(-5.975,-4.9) 34(5.975,-4.9) 35(5.975,-4.2) 36(5.975,-3.5) 37(5.975,-2.8) 38(5.975,-2.1) 39(5.975,-1.4) 40(5.975,-0.7) 41(5.975,0) 42(5.975,0.7) 43(5.975,1.4) 44(5.975,2.1) 45(5.975,2.8) 46(5.975,3.5) 47(5.975,4.2) 48(5.975,4.9)
  rect 0.5x0.85 smd paste-0.05 mask-0.051: 18(-4.9,-6.025) 19(-4.2,-6.025) 20(-3.5,-6.025) 21(-2.8,-6.025) 22(-2.1,-6.025) 23(-1.4,-6.025) 24(-0.7,-6.025) 25(0,-6.025) 26(0.7,-6.025) 27(1.4,-6.025) 28(2.1,-6.025) 29(2.8,-6.025) 30(3.5,-6.025) 31(4.2,-6.025) 32(4.9,-6.025) 50(4.9,6.025) 51(4.2,6.025) 52(3.5,6.025) 53(2.8,6.025) 54(2.1,6.025) 55(1.4,6.025) 56(0.7,6.025) 57(0,6.025) 58(-0.7,6.025) 59(-1.4,6.025) 60(-2.1,6.025) 61(-2.8,6.025) 62(-3.5,6.025) 63(-4.2,6.025) 64(-4.9,6.025)
  rect 1.1x1.1 smd paste-0.075 mask-0.051: G1(-3.85,3.85) G2(-3.85,2.45) G3(-3.85,1.05) G4(-3.85,-1.05) G5(-3.85,-2.45) G6(-3.85,-3.85) G7(-2.45,3.85) G8(-2.45,2.45) G9(-2.45,1.05) G10(-2.45,-1.05) G11(-2.45,-2.45) G12(-2.45,-3.85) G13(-1.05,3.85) G14(-1.05,2.45) G15(-1.05,1.05) G16(-1.05,-1.05) G17(-1.05,-2.45) G18(-1.05,-3.85) G19(1.05,3.85) G20(1.05,2.45) G21(1.05,1.05) G22(1.05,-1.05) G23(1.05,-2.45) G24(1.05,-3.85) G25(2.45,3.85) G26(2.45,2.45) G27(2.45,1.05) G28(2.45,-1.05) G29(2.45,-2.45) G30(2.45,-3.85) G31(3.85,3.85) G32(3.85,2.45) G33(3.85,1.05) G34(3.85,-1.05) G35(3.85,-2.45) G36(3.85,-3.85)
  silkscreen extent -6.85,-6.9 6.85,6.9
MOLX-52271-0679 [mm] "FPC Connector, 6-Leads, Right Angle, Pitch 1.0 mm, Mated Height 3.0 mm, SMT"
  rect 0.6x1.9 smd: 1(-2.5,1.175) 2(-1.5,1.175) 3(-0.5,1.175) 4(0.5,1.175) 5(1.5,1.175) 6(2.5,1.175)
  rect 2.1x2.8 smd: MP1(-5.65,-1.175) MP2(5.65,-1.175)
  silkscreen extent -6.5,-6.87 6.5,2.8, body extent -6.5,-6.87 6.5,1.83, height 3.01
MOLX-0522710579 [mm] "FPC Connector, 6-Leads, Right Angle, Pitch 1.0 mm, Mated Height 3.0 mm, SMT"
  rect 0.6x1.9 smd: 1(-2.5,1.175) 2(-1.5,1.175) 3(-0.5,1.175) 4(0.5,1.175) 5(1.5,1.175)
  rect 2.1x2.8 smd: MP1(-5.65,-1.175) MP2(4.65,-1.175)
  silkscreen extent -6.5,-6.87 5.5,2.8, body extent -6.52,-6.95 5.48,1.75, height 3
NET_TIE [mm]
  round 0.05 smd paste+0 mask+0: 1(0.127,0) 2(-0.127,0)
  Component Side lines w0.254: -0.127,0 0.127,0
OSD335X-BGA-256 [mil]
  rrect100% 19.69x19.69 smd: A1(-375,-375) A2(-375,-325) A3(-375,-275) A4(-375,-225) A5(-375,-175) A6(-375,-125) A7(-375,-75) A8(-375,-25) A9(-375,25) A10(-375,75) A11(-375,125) A12(-375,175) A13(-375,225) A14(-375,275) A15(-375,325) A16(-375,375) B1(-325,-375) B2(-325,-325) B3(-325,-275) B4(-325,-225) B5(-325,-175) B6(-325,-125) B7(-325,-75) B8(-325,-25) B9(-325,25) B10(-325,75) B11(-325,125) B12(-325,175) B13(-325,225) B14(-325,275) B15(-325,325) B16(-325,375) C1(-275,-375) C2(-275,-325) C3(-275,-275) C4(-275,-225) C5(-275,-175) C6(-275,-125) C7(-275,-75) C8(-275,-25) C9(-275,25) C10(-275,75) C11(-275,125) C12(-275,175) C13(-275,225) C14(-275,275) C15(-275,325) C16(-275,375) D1(-225,-375) D2(-225,-325) D3(-225,-275) D4(-225,-225) D5(-225,-175) D6(-225,-125) D7(-225,-75) D8(-225,-25) D9(-225,25) D10(-225,75) D11(-225,125) D12(-225,175) D13(-225,225) D14(-225,275) D15(-225,325) D16(-225,375) E1(-175,-375) E2(-175,-325) E3(-175,-275) E4(-175,-225) E5(-175,-175) E6(-175,-125) E7(-175,-75) E8(-175,-25) E9(-175,25) E10(-175,75) E11(-175,125) E12(-175,175) E13(-175,225) E14(-175,275) E15(-175,325) E16(-175,375) F1(-125,-375) F2(-125,-325) F3(-125,-275) F4(-125,-225) F5(-125,-175) F6(-125,-125) F7(-125,-75) F8(-125,-25) F9(-125,25) F10(-125,75) F11(-125,125) F12(-125,175) F13(-125,225) F14(-125,275) F15(-125,325) F16(-125,375) G1(-75,-375) G2(-75,-325) G3(-75,-275) G4(-75,-225) G5(-75,-175) G6(-75,-125) G7(-75,-75) G8(-75,-25) G9(-75,25) G10(-75,75) G11(-75,125) G12(-75,175) G13(-75,225) G14(-75,275) G15(-75,325) G16(-75,375) H1(-25,-375) H2(-25,-325) H3(-25,-275) H4(-25,-225) H5(-25,-175) H6(-25,-125) H7(-25,-75) H8(-25,-25) H9(-25,25) H10(-25,75) H11(-25,125) H12(-25,175) H13(-25,225) H14(-25,275) H15(-25,325) H16(-25,375) J1(25,-375) J2(25,-325) J3(25,-275) J4(25,-225) J5(25,-175) J6(25,-125) J7(25,-75) J8(25,-25) J9(25,25) J10(25,75) J11(25,125) J12(25,175) J13(25,225) J14(25,275) J15(25,325) J16(25,375) K1(75,-375) K2(75,-325) K3(75,-275) K4(75,-225) K5(75,-175) K6(75,-125) K7(75,-75) K8(75,-25) K9(75,25) K10(75,75) K11(75,125) K12(75,175) K13(75,225) K14(75,275) K15(75,325) K16(75,375) L1(125,-375) L2(125,-325) L3(125,-275) L4(125,-225) L5(125,-175) L6(125,-125) L7(125,-75) L8(125,-25) L9(125,25) L10(125,75) L11(125,125) L12(125,175) L13(125,225) L14(125,275) L15(125,325) L16(125,375) M1(175,-375) M2(175,-325) M3(175,-275) M4(175,-225) M5(175,-175) M6(175,-125) M7(175,-75) M8(175,-25) M9(175,25) M10(175,75) M11(175,125) M12(175,175) M13(175,225) M14(175,275) M15(175,325) M16(175,375) N1(225,-375) N2(225,-325) N3(225,-275) N4(225,-225) N5(225,-175) N6(225,-125) N7(225,-75) N8(225,-25) N9(225,25) N10(225,75) N11(225,125) N12(225,175) N13(225,225) N14(225,275) N15(225,325) N16(225,375) P1(275,-375) P2(275,-325) P3(275,-275) P4(275,-225) P5(275,-175) P6(275,-125) P7(275,-75) P8(275,-25) P9(275,25) P10(275,75) P11(275,125) P12(275,175) P13(275,225) P14(275,275) P15(275,325) P16(275,375) R1(325,-375) R2(325,-325) R3(325,-275) R4(325,-225) R5(325,-175) R6(325,-125) R7(325,-75) R8(325,-25) R9(325,25) R10(325,75) R11(325,125) R12(325,175) R13(325,225) R14(325,275) R15(325,325) R16(325,375) T1(375,-375) T2(375,-325) T3(375,-275) T4(375,-225) T5(375,-175) T6(375,-125) T7(375,-75) T8(375,-25) T9(375,25) T10(375,75) T11(375,125) T12(375,175) T13(375,225) T14(375,275) T15(375,325) T16(375,375)
  silkscreen extent -418,-418 418,418, body extent -413,-413 413,413, height 121
PCM_SMD_SWITCH [mil] "SMD Minature Switch"
  round 3.94 hole 35.43 paste+0 mask+0: 0(-59,0) 0(59,0)
  rect 28x59 smd: 1(-88,68.5) 2(30,68.5) 3(89,68.5)
  rect 39x32 smd: M(-143.5,-38.5) M(-143.5,38.5) M(143.5,-38.5) M(143.5,38.5)
  silkscreen extent -169,-55 114,89, body extent -120,-114 115,33, height 55
"Q_TDSON-8 NexFET" [mm] "Power MOSFET"
  rect 0.63x0.5 smd: 1(-1.435,0.975) 2(-1.435,0.325) 3(-1.435,-0.325) 4(-1.435,-0.975) 5(1.435,-0.975) 6(1.435,-0.325) 7(1.435,0.325) 8(1.435,0.975)
  rect 1.9x2.45 smd: TAB(0.39,0)
  silkscreen extent -2.25,-1.5 1.75,1.72, body extent -1.75,-1.23 1.77,1.25, height 1.1
QFN40P400X400X60_HS-29N [mm] "QFN, 28-Leads, Body 4.00x4.00mm, Pitch 0.40mm, Thermal Pad 2.65x2.65mm, IPC Medium Density"
  rect 0.85x0.2 smd mask+0.127: 1(-1.975,1.2) 2(-1.975,0.8) 3(-1.975,0.4) 4(-1.975,0) 5(-1.975,-0.4) 6(-1.975,-0.8) 7(-1.975,-1.2) 15(1.975,-1.2) 16(1.975,-0.8) 17(1.975,-0.4) 18(1.975,0) 19(1.975,0.4) 20(1.975,0.8) 21(1.975,1.2)
  rect 0.2x0.85 smd mask+0.127: 8(-1.2,-1.975) 9(-0.8,-1.975) 10(-0.4,-1.975) 11(0,-1.975) 12(0.4,-1.975) 13(0.8,-1.975) 14(1.2,-1.975) 22(1.2,1.975) 23(0.8,1.975) 24(0.4,1.975) 25(0,1.975) 26(-0.4,1.975) 27(-0.8,1.975) 28(-1.2,1.975)
  rect 2.565x2.565 smd mask+0.051: 29(0,0)
  silkscreen extent -2.97,-2.2 2.2,2.2, body extent -2.05,-2.05 2.05,2.05, height 0.6
QFN40P400X400X80_HS-33N [mm] "QFN, 32-Leads, Body 4.00x4.00mm, Pitch 0.40mm, Thermal Pad 2.70x2.70mm, IPC Medium Density"
  rect 0.75x0.2 smd mask+0.114: 1(-2.1,1.4) 2(-2.1,1) 3(-2.1,0.6) 4(-2.1,0.2) 5(-2.1,-0.2) 6(-2.1,-0.6) 7(-2.1,-1) 8(-2.1,-1.4) 17(2.1,-1.4) 18(2.1,-1) 19(2.1,-0.6) 20(2.1,-0.2) 21(2.1,0.2) 22(2.1,0.6) 23(2.1,1) 24(2.1,1.4)
  rect 0.2x0.75 smd mask+0.114: 9(-1.4,-2.1) 10(-1,-2.1) 11(-0.6,-2.1) 12(-0.2,-2.1) 13(0.2,-2.1) 14(0.6,-2.1) 15(1,-2.1) 16(1.4,-2.1) 25(1.4,2.1) 26(1,2.1) 27(0.6,2.1) 28(0.2,2.1) 29(-0.2,2.1) 30(-0.6,2.1) 31(-1,2.1) 32(-1.4,2.1)
  rect 2.7x2.7 smd mask+0.076: 33(0,0)
  silkscreen extent -2.98,-2.2 2.2,2.2, body extent -2.15,-2.15 2.15,2.15, height 0.8
QFN50P200X200X80-8L [mm] "QFN, 8-Leads, Body 2.1x2.1mm (max), Pitch 0.50mm, IPC High Density"
  rect 0.25x0.8 smd mask+0.07: 1(-0.75,-1.1) 2(-0.25,-1.1) 3(0.25,-1.1) 4(0.75,-1.1) 5(0.75,1.1) 6(0.25,1.1) 7(-0.25,1.1) 8(-0.75,1.1)
  rect 2.5x0.9 smd mask+0.07: 9(0,0)
  silkscreen extent -1.44,-1.61 1.26,1.06, body extent -1.05,-1.05 1.05,1.05, height 0.8
R_0402 [mm] "Resistor 0402"
  rrect50% 0.6x0.65 smd: 1(-0.5,0) 2(0.5,0)
R_0603 [mm] "Resistor 0603"
  rrect50% 1.1x1 smd: 1(-0.85,0) 2(0.85,0)
  silkscreen extent -0.1,-0.45 0.1,0.45, body extent -0.8,-0.4 0.8,0.4, height 0.3
R_1206 [mm] "Resistor 1206"
  rrect50% 1.6x1.8 smd: 1(-1.4,0) 2(1.4,0)
  silkscreen extent -0.4,-0.8 0.4,0.8, body extent -1.6,-0.8 1.6,0.8, height 1
R_LVK25_0.003 [mm]
  rect 1.4x3.3 smd: 1(-1.8,-2.15) 2(1.8,-2.15) 3(1.8,2.15) 4(-1.8,2.15)
  silkscreen extent -1.81,-4.26 0.3,3.8, body extent -2.22,-3.82 2.19,3.8, height 1.3
RHB0032E [mm]
  oval 0.6x0.24 smd paste-0.102 mask+0.051: 1(-2.4,1.75) 2(-2.4,1.25) 3(-2.4,0.75) 4(-2.4,0.25) 5(-2.4,-0.25) 6(-2.4,-0.75) 7(-2.4,-1.25) 8(-2.4,-1.75) 17(2.4,-1.75) 18(2.4,-1.25) 19(2.4,-0.75) 20(2.4,-0.25) 21(2.4,0.25) 22(2.4,0.75) 23(2.4,1.25) 24(2.4,1.75)
  oval 0.24x0.6 smd paste-0.102 mask+0.051: 9(-1.75,-2.4) 10(-1.25,-2.4) 11(-0.75,-2.4) 12(-0.25,-2.4) 13(0.25,-2.4) 14(0.75,-2.4) 15(1.25,-2.4) 16(1.75,-2.4) 25(1.75,2.4) 26(1.25,2.4) 27(0.75,2.4) 28(0.25,2.4) 29(-0.25,2.4) 30(-0.75,2.4) 31(-1.25,2.4) 32(-1.75,2.4)
  round 0.5 hole 0.203 mask+0.051: 33(-1.475,0) 33(0,-1.475) 33(0,0) 33(0,1.475) 33(1.475,0)
  rect 3.45x3.45 smd paste-1.712 mask+0.051: 33(0,0)
  silkscreen extent -2.72,-2.73 2.72,2.73